# KiCad board 2000ATX.kicad_pcb (continued)
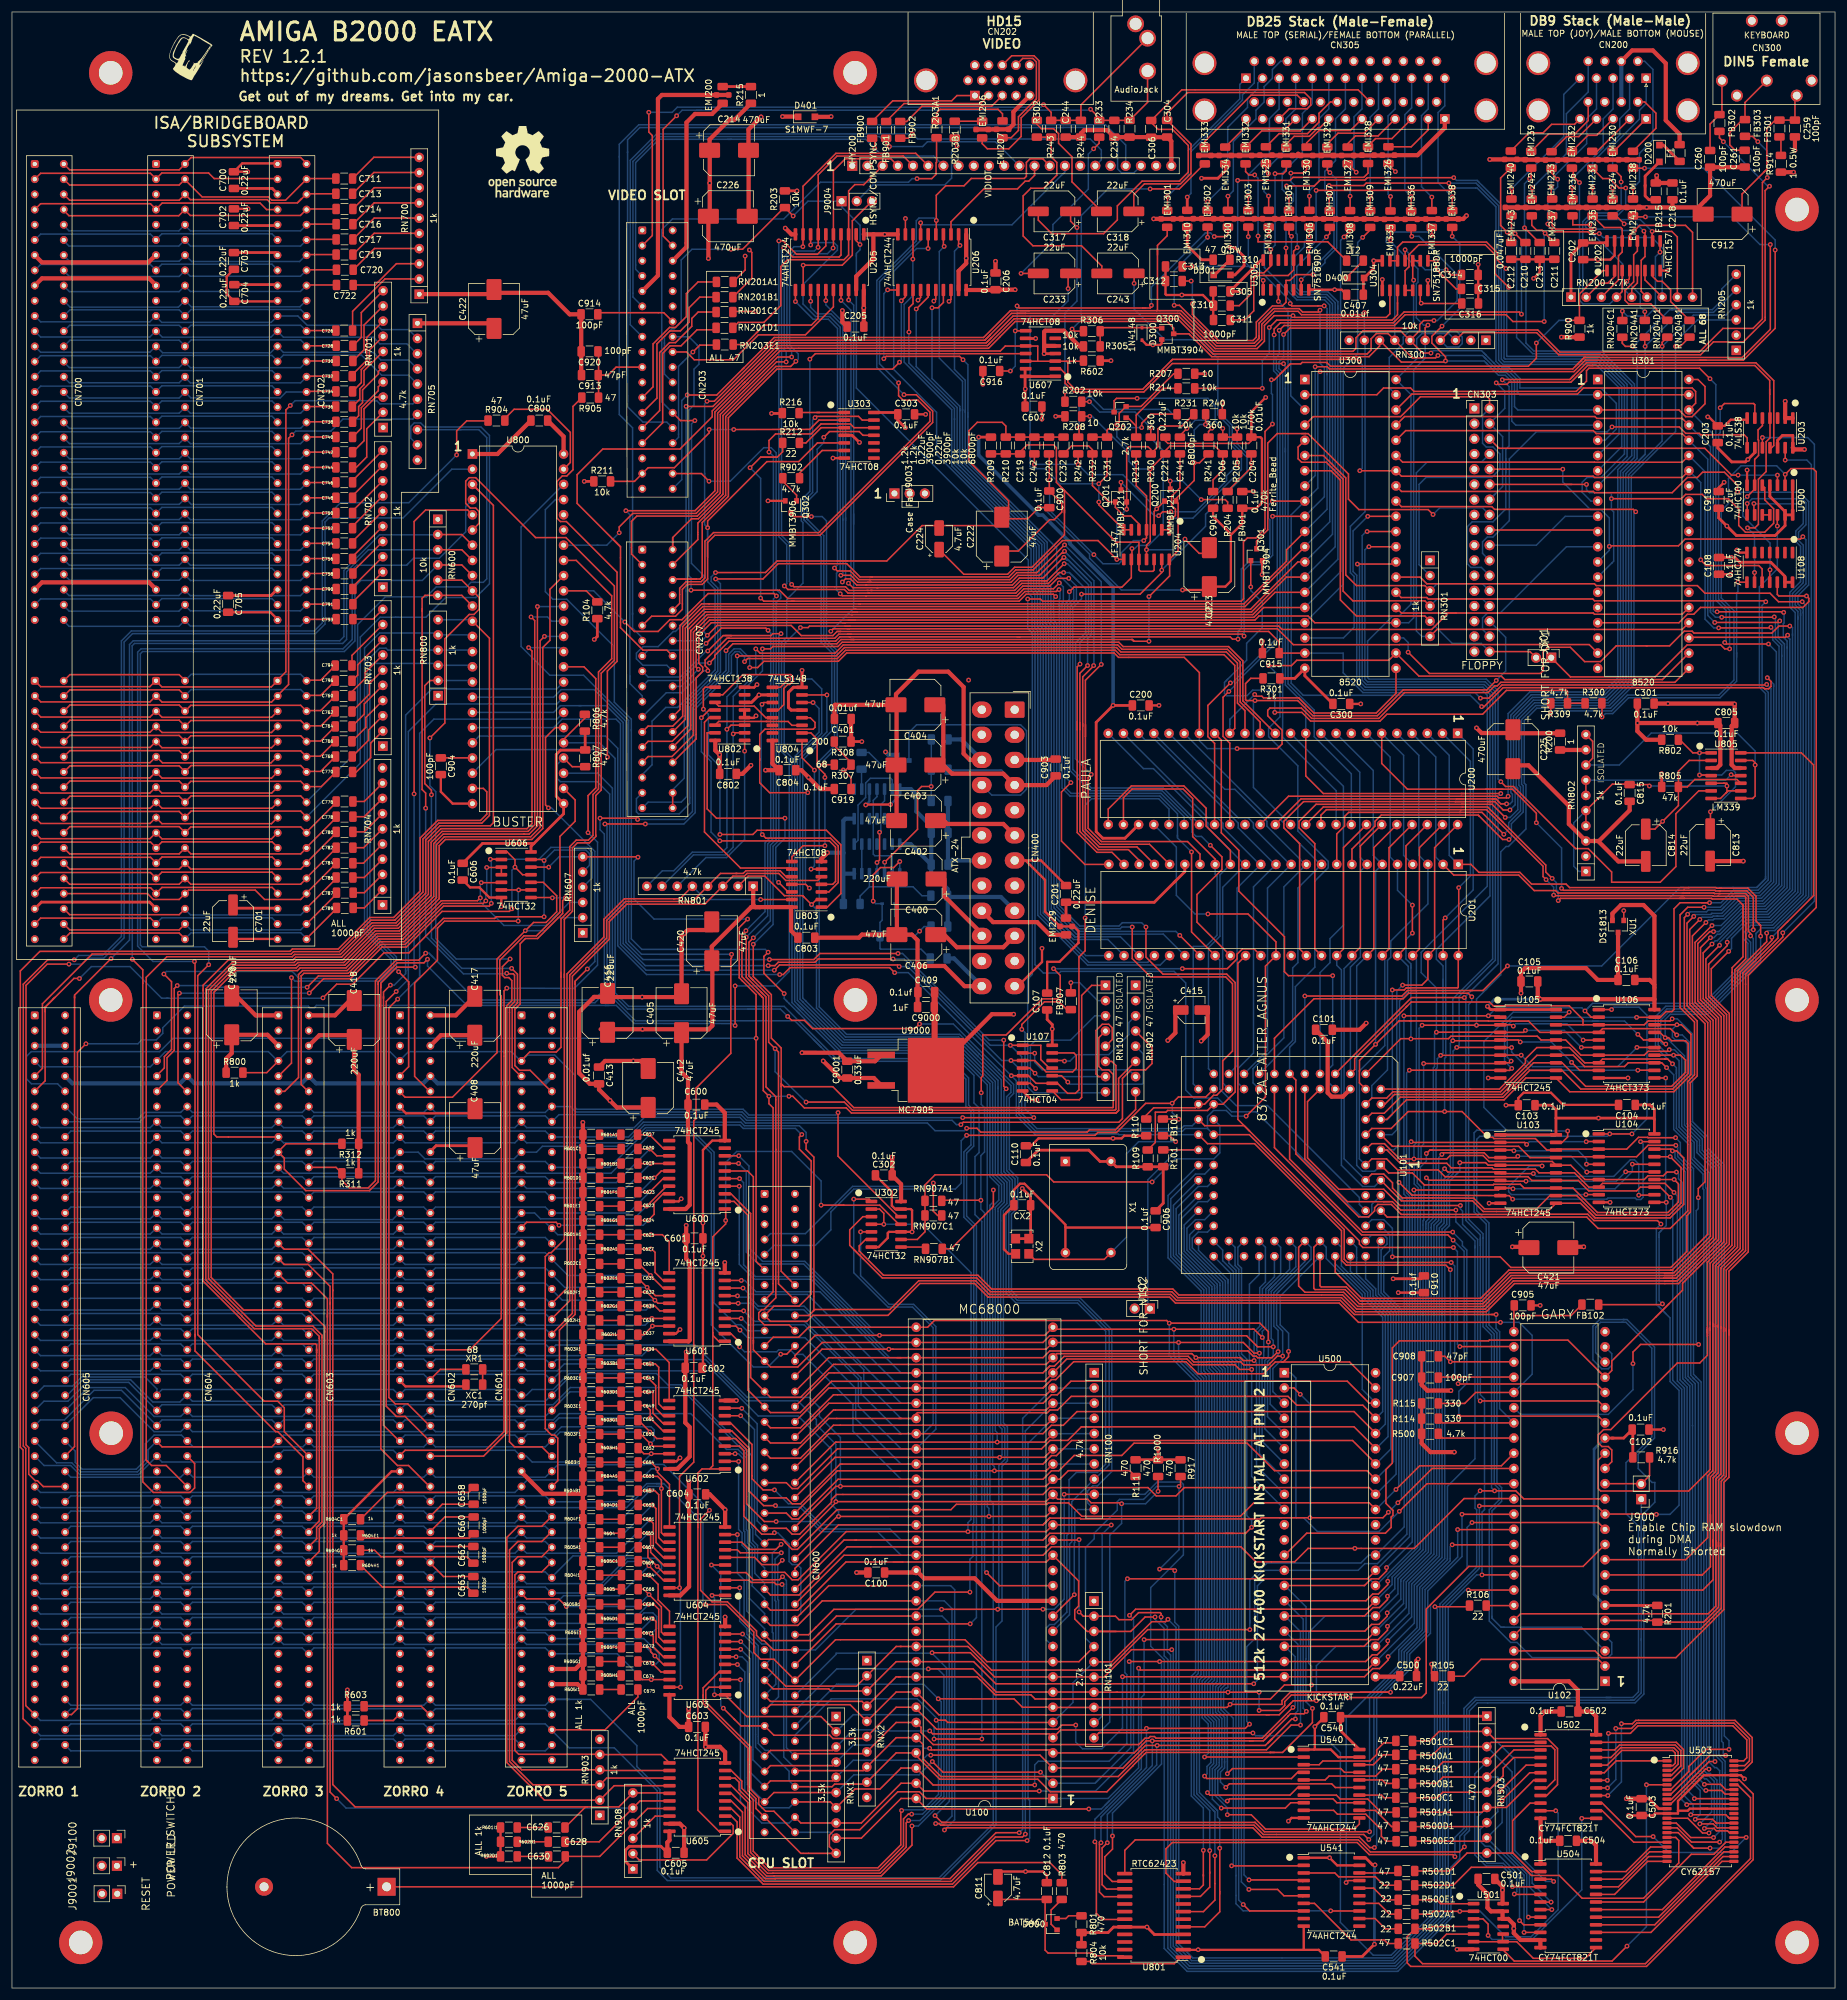
[diagram p0: board, top side]
## Routing (per net, layer and track width the routed paths; a pad name or vN(x,y) marks a point on that pad's centre or on a via; arc(x,y) is an arc through that point) (continued)
/Paula/+5VMOUSE: length 30.4
  Top w0.7: CN200.7 270.87,323.77 274.35,323.77 276.5,321.61 276.5,312.09 278.81,309.78 F1.2
  Bottom w0.7: CN200.16 CN200.7
/Power/+5VSB: length 56.7
  Top w0.381: v1(146.89,197.76) 142.81,197.76 v1(142.74,197.69)
  Bottom w0.381: U9102.14 148.43,199.3 v1(146.89,197.76) ; U9102.10 143.35,198.3 v1(142.74,197.69) ; 153.69,193.02 C9102.1
  Bottom w0.7: C9101.1 153.7,187.73 C9102.1 153.7,194.11 151.21,196.6 151.21,199.42 150.29,200.34 148.39,200.34 ; C9101.1 150.26,191.15 U9101.14 ; C9101.1 153.69,186.39 156.43,183.64 R9103.1 ; R9103.1 156.46,182.5 R9100.1 ; R9103.1 156.64,182.31 165.34,182.31 CN400.9
GND: length 1665.5
  Top w0.25: 140.82,303.93 140.82,305.06
  Top w0.381: 215.13,306.53 EMI330.3 ; 192.15,295.61 EMI301.3 ; C202.1 v1(265.15,288.82) 267.23,288.82 267.94,289.53 U202.15 ; U541.1 v1(220.29,21.77) 221.56,20.5 U541.19 ; 95.09,82.75 R604B1.1 ; v1(111.68,88.6) 111.1,88.01 U602.19 ; v1(111.68,110.03) 111,109.35 U601.19 ; v1(111.89,131.88) 111.46,131.45 U600.19 ; v1(79.32,22) R602D1.1 R601I1.1 ; 112.37,26.84 v1(112.37,26.75) ; 64.74,86.33 63.47,86.33 R604C1.1 R604H1.1 ; 119.23,37.62 U605.10 118.67,37.62 ; 115.93,40.36 v1(115.98,40.31) ; 115.52,119.5 115.52,103.78 C602.2 ; 115.52,119.5 115.53,119.51 ; 115.52,119.5 v1(115.52,122.29) C601.2 v1(115.52,127.84) 115.52,140.03 117.09,141.61 U600.10 ; 77.14,146.16 65.88,146.16 64.74,147.29 ; 64.74,101.57 65.79,100.53 75.58,100.53 XC1.2 ; 95.34,133.1 R601F1.1 ; 95.17,269.57 C913.2 ; C606.2 76.58,183.92 78.14,183.92 79.83,182.22 U606.7 81.81,182.21 v1(81.81,180.7) ; U800.24 73.69,197.92 71.7,199.9 C904.2 ; 80.38,283.06 80.59,283.27 ; C705.2 43.21,229.89 44.4,228.7 ; C702.2 v1(39.47,297.31) ; v1(39.42,303.51) C700.2 38.5,304.9 44.4,304.9 ; 36.96,175.3 44.34,175.3 44.4,175.36 ; C703.2 35.89,285.98 35.89,283.1 C704.2 44.2,281.84 44.4,282.04 ; U541.10 215.97,6.48 216.08,6.38 ; U540.19 221.77,38.58 220.5,39.85 217.7,39.85 ; C110.2 170.39,140.74 171.63,141.98 v1(184.09,141.98) 185.51,141.98 185.95,142.41 R110.1 ; 178.31,174.65 175.14,171.49 173.08,171.49 C107.2 ; 178.31,174.65 178.28,174.62 ; 178.31,174.65 178.31,176.63 177.55,177.39 EMI229.3 EMI229.3 172.72,179.88 172.72,185.17 169.47,188.41 ; 164.75,19.56 164.85,19.46 v1(169.46,19.46) 172.37,19.46 173.02,18.81 C812.2 ; 217.7,39.85 217.83,39.98 v1(217.83,43.69) 219.33,45.18 C540.2 ; 217.7,39.85 U540.1 ; C311.2 200.83,278.79 C305.2 ; U303.7 v1(137.26,255.65) ; C313.2 C312.2 192.86,283.04 192.99,282.91 v1(195.58,282.91) 199.11,282.91 C310.2 ; C915.2 v1(209.06,225.07) ; v1(245.14,288.01) C314.1 245.14,281.53 C316.1 ; 290.12,262.06 287.36,262.06 286.34,261.04 C203.1 283.7,262.53 v1(283.51,262.53) ; 195.35,6.38 216.08,6.38 ; 216.08,6.38 218.49,6.38 C541.2 ; C905.2 v1(255.5,114.07) ; 186.82,309.24 186.85,309.27 ; EMI241.3 273.46,297.54 ; 273.46,297.54 281.93,297.54 ; 273.46,297.54 273.69,297.54 ; 209.01,238.43 v1(209.01,236.19) ; C910.2 v1(231.78,116.2) ; U106.10 v1(270.18,152.07) ; U105.10 v1(246.81,152.07) ; 231.09,306.22 EMI326.3 ; C906.2 176.2,127.07 176.12,127.15 ; 278.54,29.62 278.54,31.25 282.85,35.57 U503.41 289.05,35.57 v1(289.66,34.95) ; 278.54,29.62 278.54,29.17 U503.12 274.68,29.17 274.35,28.84 C503.2 270.31,28.84 ; 278.54,29.62 280.17,29.62 280.51,29.97 283.46,29.97 ; C108.1 v1(287.35,236.24) ; C102.2 v1(276.1,93.32) ; U108.7 288.81,239.86 v1(288.39,240.28) ; C302.1 147.11,133.06 147.11,130.73 147.67,130.16 U302.13 150.29,130.16 150.49,129.96 v1(150.49,126.35) U302.10 146.63,126.35 146.43,126.15 146.43,125.34 144.9,123.81 U302.7 ; 217.79,283.78 U305.7 v1(221.14,283.78) 222.31,283.78 C407.2 ; 122.33,306.93 122.54,307.14 ; U304.7 v1(236.73,285.34) ; U104.10 v1(267.18,131.29) ; 265.18,191.67 RN802.3 ; v1(213.41,27.89) 213.94,28.42 U540.10 ; 176.12,127.15 176.12,127.56 169.29,134.39 168.53,134.39 167.51,133.37 CX2.2 165.86,129.16 165.86,123.44 166.62,122.68 X2.2 ; 176.12,127.15 X1.7 ; C907.2 C908.2 ; FB401.1 v1(207.55,250.07) ; 188.95,275.32 D300.2 189.7,274.57 v1(190.75,274.57) 191.98,274.57 192.22,274.82 Q300.2 ; C303.2 v1(152.76,262.97) ; 268.52,176.39 XU1.3 ; v1(288.01,214.55) 287.93,214.63 ; C916.2 v1(162.33,268) ; 169.47,188.41 172.04,188.41 C201.2 ; 169.47,188.41 CN400.7 ; C200.2 v1(191.77,214.33) ; 282.49,29.97 283.46,29.97 ; 283.46,29.97 U503.34 ; 150.46,176.02 151.46,175.03 C409.2 151.46,163.98 C9000.2 ; U202.8 v1(276.82,286.98) ; C607.1 v1(172.19,262.16) ; 184.26,309.24 C234.2 ; C918.2 285.34,250.7 v1(286.26,251.61) ; v1(171.35,148.39) 170.5,148.39 U107.7 ; U103.10 v1(246.96,131.14) ; v1(249.78,147.52) C103.2 251.84,148.71 252.73,149.61 257.3,149.61 259.33,147.57 C104.2 ; 268.53,305.56 268.63,305.46 ; 255.63,202.23 256.1,201.75 ; U900.7 v1(290.09,253.64) ; EMI232.3 259.69,305.51 ; 200.83,280.44 200.81,280.42 ; C300.1 v1(225.5,214.58) ; C218.2 277.62,298.35
  Top w0.4: 124.05,212.24 v1(124.4,212.59) ; 122.56,212.24 124,212.24 ; 122.54,217.32 124.08,217.32 v1(124.56,217.81)
  Top w0.457: 174.33,273.1 v1(172.57,273.1)
  Top w0.5: U802.5 122.49,212.34 ; U804.5 130.28,213.54 129.82,214 129.82,216.51 130.66,217.35 U804.8 v1(132.09,220.18)
  Top w0.7: 85.06,86.33 88.81,82.59 94.93,82.59 R604B1.1 ; v1(95.45,144.65) R601A1.1 R605I1.1 94.56,50.77 90.14,50.77 ; 90.14,53.31 94.21,53.31 R605G1.1 ; C603.2 115.93,40.36 ; 95.17,269.57 C920.2 95.17,279.65 C914.1 93.24,279.68 89.65,283.27 80.59,283.27 ; 67.89,283.06 80.38,283.06 ; U800.1 81.18,256.34 C800.2 ; U206.19 158.27,286.91 159.54,288.18 U206.1 ; C907.2 235.68,100.8 236.65,99.83 v1(240.58,99.83) ; EMI326.3 235,306.27 239.55,310.83 CN305.26 ; C502.2 256.21,46.21 v1(255.81,45.8) 255.56,45.56 255.56,42.35 ; C261.2 289.67,304.26 C260.2 283.91,299.51 281.93,297.54 277.72,297.54 ; v1(247.07,305.56) EMI240.3 253.22,305.56 253.27,305.51 EMI238.3 ; 199.91,163.42 199.91,159.32 v1(198.83,158.24) ; U205.1 144.02,293.04 ; 144.02,293.04 v1(145.92,293.04) U206.10 ; 144.02,293.04 144.02,288.88 141.15,286.01 U205.19 ; C206.1 164.44,288.53 v1(164.43,288.54) ; C259.2 v1(298.09,307.07) ; U604.10 119.23,77.04 v1(119.23,79.93) 116.66,82.5 C604.2 ; U601.10 v1(119.18,121.24) ; C500.2 234.82,54.7 v1(235.1,54.98) ; R900.1 262.07,275.87 v1(259.04,275.87) ; C903.2 174.35,205.21 CN400.3 ; 215.03,306.52 214.73,306.22 ; 214.73,306.22 231.09,306.22 ; 214.73,306.22 EMI333.3 ; v1(172.57,273.1) 172.57,274.34 ; 172.57,274.34 172.62,274.4 U607.5 ; 172.57,274.34 172.57,276.74 172.76,276.94 U607.7 175.87,276.94 178.49,274.32 R305.2 ; CN202.5 167.43,313.51 167.43,311.4 EMI207.3 EMI206.3 ; U502.12 255.56,24.82 ; 255.56,24.82 v1(255.56,24.62) 255.56,20.75 U504.1 ; 255.56,24.82 255.78,24.6 C504.2 ; 123.16,296.27 123.16,307.09 ; v1(226.42,161.24) 225.3,160.12 C101.2 ; C406.2 147.95,185.27 C400.2 ; CN400.24 159.26,167.41 155.88,170.79 151.41,170.79 ; U504.12 U504.11 252.24,8.03 251.1,9.17 v1(251.1,9.94) 251.1,10.63 250.18,11.55 249.21,11.55 249.21,12.82 247.28,12.82 246.69,13.41 246.69,15.71 v1(246.62,15.78) 245.12,17.28 C501.2 ; 287.93,214.63 C301.2 ; v1(125.25,312.67) 123.14,310.55 C214.2 ; 250.95,204.31 253.54,204.31 260.3,197.55 260.3,194.51 RN802.3 265.33,191.67 270.46,196.8 C815.2 ; v1(132.09,156.29) 138.23,156.29 C9001.2 144.29,154.87 U9000.1 ; C402.2 147.9,214.33 C404.2 ; C919.2 135.13,200.36 131.98,203.5 C804.2 ; U600.10 119.18,146.25 117.81,147.62 C600.2 ; 244.26,6.47 v1(241.6,6.47) ; v1(296.46,265.14) U203.2 U203.1 ; 151.41,170.79 C9000.2 ; 151.41,170.79 151.41,175.08 150.46,176.02 142.11,176.02 141.61,175.51 C803.2 ; C412.1 101.14,147.15 v1(99.99,148.3) 98.15,150.14 C413.2 96.61,151.09 94.83,152.88 94.83,163.12 97.33,165.62 98.43,165.62 98.45,165.59 v1(105.37,165.59) 111.95,165.59 111.95,175.77 v1(112.4,176.22) 112.97,176.79 117.09,176.79 ; EMI243.3 EMI241.3 277.72,297.54 ; CN603.2 54,162.53 57.19,165.72 ; C205.1 138.84,278.41 v1(138.84,280.3) ; C813.2 v1(289.47,188.31) ; v1(288.01,214.55) C805.2 287.51,210.88 287.51,204.41 288.06,203.86 U805.12 ; v1(190.88,295.63) 221.03,295.63 221.05,295.61 EMI338.3 242.62,295.61 v1(243.18,296.16) ; v1(262.79,123.85) 260.24,123.85 C421.2 ; U603.10 v1(119.23,62) ; 268.52,176.39 C106.2 265.13,168.45 263.14,170.43 252.98,170.43 252.3,169.75 C105.2 v1(252.3,166.24) ; v1(195.84,20.96) 195.84,19.13 U801.12 ; v1(129.29,294.08) 130.33,293.04 U205.10 ; EMI200.3 EMI200.3 108.66,316.33 108,315.67 108,286.16 CN203.9 ; C814.2 268.59,188.26 265.18,191.67 ; CN603.1 40.74,162.53 36.74,166.53 ; C802.2 122.11,202.89 v1(123.55,204.32) ; C404.2 137.64,214.43 137.51,214.3 C401.2 ; C404.2 147.8,216.2 151.56,219.96 156.54,219.96 159.11,217.4 159.11,206.27 160.16,205.21 CN400.15 ; U605.19 111.66,27.46 v1(112.37,26.75) C605.1 ; C244.2 R244.1 178.72,309.91 179.27,310.46 183.13,310.46 C234.2 R234.1 190.44,309.29 C306.2 193.1,309.27 C304.2 193.83,308.6 HY200.22 ; 277.72,297.54 277.62,297.64 C218.2 ; C100.2 v1(141.22,69.43) ; v1(115.98,40.31) 118.36,40.31 119.23,39.44 U605.10 ; U803.7 135.34,188.71 v1(136.35,189.71) ; CN602.2 74.19,162.53 C417.2 ; v1(121.11,98.17) 119.18,98.17
  In1.Cu w0.25: 231.19,131.17 232.21,130.15 ; 15.09,35.92 14.94,35.92
  In1.Cu w0.381: 197.12,138.95 199.81,138.95 U101.42 199.81,141.16 197.85,141.16 195.83,139.15 ; 230.41,131.33 227.42,131.33 U101.82 227.69,133.81 230.99,133.81
  In1.Cu w0.7: CN605.13 5.02,148.5 23.03,148.5 CN604.13 25.44,148.5 43.35,148.5 CN603.13 45.76,148.5 63.67,148.5 CN602.13 66.08,148.5 83.99,148.5 CN601.13 86.4,148.5 95.09,148.5 ; 93.43,150.56 93.56,150.43
  Bottom w0.381: 24.1,50.77 CN604.89 ; 76.68,197.61 U800.24 ; 246.89,151.99 v1(246.81,152.07)
  Bottom w0.7: U9101.7 139.07,186.2 139,186.27 ; 139,186.27 C9103.2 ; 139,186.27 139,189.69 ; CN400.19 157.18,188.41 C9101.2 156.49,193.02 C9102.2 156.49,193.05 C9105.2 ; CN400.15 158.71,208.65 R9105.2 ; v1(136.35,189.71) 138.97,189.71 139,189.69 ; 140.77,195.39 139.33,195.39 139,195.06 139,189.69 ; C9104.2 157.5,172.05 CN400.24 ; v1(146.05,206.55) 146.53,206.07 Q9100.2
  vias: v1(133.19,202.28) v1(159.54,289.04) v1(198.32,6.4) v1(270.29,28.85) v1(273.3,297.54) v1(276.86,214.63)
V7M: length 38.8
  Top w0.25: 154.05,132.68 154.05,129.81 154.76,129.1 RN907C1.1 ; 154.05,132.68 154.04,132.69 v1(154.04,134.52) ; 154.05,132.68 154.05,132.91
  Bottom w0.25: CN600.7 126.81,126.06 132.65,126.06 140.55,133.95 153.47,133.95 v1(154.04,134.52)
7M: length 167
  Top w0.25: RN907A1.1 155.54,131.63 v1(161.99,131.63) ; v1(162.94,69.41) 165.12,67.23 U100.15 ; v1(162.05,149.61) 162.05,152.15 162.31,152.4 162.31,159.26 166.22,159.26 172.26,165.3 174.8,165.3 175.26,165.76 175.26,169.21 v1(174.14,170.33) ; U201.35 207.66,173.64 205.71,173.64 204.83,172.77 204.83,171.98 203.19,170.33 v1(195.68,170.33)
  Bottom w0.25: v1(162.05,149.61) 162.05,147.66 162.6,147.11 162.6,139.71 161.99,139.1 v1(161.99,131.63) 161.99,130.13 162.6,129.52 162.6,69.75 v1(162.94,69.41) ; v1(195.68,170.33) v1(174.14,170.33)
28M: length 98.5
  Top w0.25: U101.34 199.59,148.89 195.02,148.89 v1(193.98,147.85) 193.95,147.83 189.53,147.83 184.66,142.95 181.54,142.95 181.08,142.49 v1(159.61,142.49) ; 195.28,145.19 v1(195.07,145.19) 195.04,145.21 FB101.2 192.46,145.19
  Bottom w0.25: v1(193.98,147.85) 193.98,146.28 v1(195.07,145.19) ; CN600.9 127.39,124.1 134.32,124.1 136.91,126.69 136.91,129.68 140.73,133.5 157.71,133.5 158.71,134.5 158.71,141.59 v1(159.61,142.49)
+AUD: length 220
  Top w0.457: 250.98,209.68 250.95,209.71 ; U200.27 186.08,192.13 182.37,192.13 181.27,193.23 181.27,211.5 v1(184.1,214.33) C200.1 187.32,214.5 ; R209.1 v1(161.62,259.16)
  Top w0.7: R200.2 250.98,209.68 ; v1(244.86,210.57) 245.71,209.71 250.95,209.71
  In2.Cu w0.457: 195.85,212.33 243.09,212.33 v1(244.86,210.57)
  In2.Cu w0.6: v1(244.86,210.57) 243.17,212.26 186.17,212.26 v1(184.1,214.33) 186.1,212.33
  Bottom w0.6: v1(184.1,214.33) 184.1,234.12 176.88,241.34 176.88,241.58 172.33,246.13 171.64,246.13 161.62,256.14 v1(161.62,259.16)
+AV: length 86.8
  Top w0.25: R213.1 v1(187.96,254.97) 187.96,251.05 189.69,249.33 U204.4 189.69,242.32 v1(189.23,241.86) ; v1(184.72,261.25) 185.12,261.65 185.12,263.14 Q202.2 188.77,264.29 194.23,269.75 R207.2 ; C220.1 173.43,256.31 C900.1 175.51,248.08 175.51,246.63 174.24,245.36 173.48,245.36 168.24,240.12 166.62,240.12
  Bottom w0.25: v1(187.96,254.97) 187.96,255.98 184.72,259.22 v1(184.72,261.25) ; v1(173.48,252.02) 173.48,246.92 v1(180.89,239.51) 182.41,238 185.07,238 185.45,238.38 185.45,239.81 187.5,241.86 v1(189.23,241.86)
+VID: length 192
  Top w0.25: 142.42,277.62 C205.2 ; 164.39,283.74 C206.2
  Top w0.7: 142.42,277.62 v1(142.42,280.75) U205.20 ; 116.66,296.11 v1(116.66,301.6) 116.66,306.93 ; C226.1 v1(116.43,289.02) ; U206.20 164.39,283.74 ; C206.2 v1(167.72,283.79) ; C214.1 116.64,308.9 119.95,312.21 120.82,312.21 R215.1
  In2.Cu w0.7: v1(116.66,301.6) 124.32,301.6 128.61,305.9 141.78,305.9 143.03,304.65 HY200.2 145.18,302.34 145.18,297.91 143.37,296.09 143.37,281.7 v1(142.42,280.75) ; HY200.21 182.54,295.74 171.54,295.74 169.66,293.86 169.66,285.73 v1(167.72,283.79) 165.94,283.79 161.49,279.35 130.5,279.35 123.16,286.69 118.76,286.69 v1(116.43,289.02)
-AV: length 64.7
  Top w0.25: U204.11 v1(189.69,240.33) 189.69,241.1 190.31,241.72 v1(190.31,253.83) C221.2 192.84,256.9 193.6,257.66 201.14,257.66 R206.2 202.44,253.64 200.81,252.02 C901.2 ; R208.1 v1(180.19,262.64) ; v1(196.11,242.11) 198.49,239.73 199.85,239.73
  Bottom w0.25: v1(180.19,262.64) 180.59,262.64 186.74,256.49 186.74,255.11 188.02,253.83 v1(190.31,253.83) ; v1(189.69,240.33) 194.34,240.33 v1(196.11,242.11)
/Floppy and Parallel/_CHNG: length 77.7
  Top w0.25: U300.4 217.57,262.58 232.17,262.58 235.49,265.89 246.68,265.89 247.04,265.54 CN303.2
  Bottom w0.25: RN301.2 235.25,237.85 235.25,251.25 236.43,252.43 247.41,252.43 248.77,253.79 248.77,256.34 247.6,257.51 246.48,257.51 245.87,258.12 245.87,262.78 CN303.2
/Floppy and Parallel/_DKWDB: length 64.5
  Top w0.25: v1(267.51,260.86) 278.77,260.86 279.83,259.79 282.09,259.79 282.35,259.54 289.61,259.54 290.12,259.03 290.12,257.11
  Bottom w0.25: v1(267.51,260.86) 266.69,260.04 254.86,260.04 250.34,255.52 250.34,245.2 247.6,242.46 246.67,242.46 245.87,241.66 245.87,239.73 CN303.22
/Floppy and Parallel/_DKWEB: length 103.3
  Top w0.25: 261.09,269.42 263.24,271.57 291.58,271.57 294.55,268.59 294.55,257.74 293.93,257.11 ; 261.09,269.42 260.6,268.94 ; 261.09,269.42 260.45,268.78 249.22,268.78 v1(249.17,268.73)
  Bottom w0.25: 249.76,253.21 249.76,257.13 250.31,257.67 250.31,267.6 v1(249.17,268.73) ; 249.76,253.21 249.76,247.16 247.6,245 244.13,245 243.33,244.2 243.33,237.99 243.94,237.38 245.68,237.38 CN303.24 ; 249.76,253.21 249.76,255.58
/Floppy and Parallel/_INUSE0: length 52.5
  Top w0.25: CN303.6 248.63,257.29 283.02,257.29 287.5,252.81 v1(288.59,252.81) ; U900.3 v1(295.17,252.81) ; 285.27,255.04 285.14,255.17
  Bottom w0.25: v1(295.17,252.81) v1(288.59,252.81)
/Floppy and Parallel/_INUSE1: length 110.5
  Top w0.25: v1(290.17,243.99) 291.4,243.99 291.99,244.58 291.99,252.12 293.28,253.41 293.28,258.38 293.92,259.03 U203.4 ; 264.31,271.12 291.39,271.12 293.88,268.63 293.88,266.29 ; 264.31,271.12 263.42,271.12 260.64,268.33 250.3,268.33 249.94,267.98 248.41,267.98 v1(248.16,268.22) ; 264.31,271.12 263.8,271.12 ; U108.9 v1(291.34,236.52) ; 293.88,267.16 293.88,266.29 ; 293.88,266.29 293.88,262.11 293.93,262.06
  Bottom w0.25: v1(290.17,243.99) 291.34,242.82 v1(291.34,236.52) ; 247.91,249.59 CN303.14 249.22,250.9 249.22,259.23 CN303.4 249.58,263.96 249.58,266.85 249.53,266.85 v1(248.16,268.22)
/Floppy and Parallel/_IORST: length 60.4
  Top w0.25: EMI300.2 203.3,293.12 202.84,292.66 v1(201.02,292.66) ; v1(168.05,281.08) 168.39,280.74 189.04,280.74 ; v1(166.93,270.21) C916.1 ; 189.04,280.74 190.31,280.74 190.5,280.92 v1(190.5,281.18) ; 189.04,280.74 189.55,280.74 ; 169.38,276.91 v1(167.74,276.91)
  Bottom w0.25: v1(201.02,292.66) 200.39,293.28 199.55,293.28 ; 199.55,293.28 199.17,292.91 ; 199.55,293.28 200.06,293.28 ; 199.55,293.28 190.5,284.23 v1(190.5,281.18) ; v1(168.05,281.08) 168.05,277.22 v1(167.74,276.91) 167.74,271.02 v1(166.93,270.21)
/Floppy and Parallel/_KBDATA: length 16.5
  Top w0.25: CN300.2 289.75,315.08 FB303.1 289.35,312.21 287.2,310.06 287.2,307.99 288.1,307.08 C261.1 289.75,307.13
/Floppy and Parallel/_MTROD: length 65.9
  Top w0.25: 216.31,259.75 216.69,259.75 223.45,252.99 223.45,248.79 225.19,247.05 236.77,247.05 v1(237.59,246.23) ; 216.31,259.75 215.61,259.75 ; 216.31,259.75 211.54,259.75 209.95,258.16 209.95,243.65 208.08,241.78 208.08,240.47
  Bottom w0.25: CN303.16 245.87,247.35 238.72,247.35 v1(237.59,246.23)
/Floppy and Parallel/_RDY: length 63.3
  Top w0.25: U300.7 220.52,253.54 222.1,251.97 222.1,231.95 224.78,229.27 236.21,229.27 RN301.5 ; CN303.34 253.8,223.32 J301.2
  Bottom w0.25: RN301.5 240.8,224.68 245.68,224.68 CN303.34
/Floppy and Parallel/_TRK0: length 50.7
  Top w0.25: RN301.3 236.21,234.35 224.78,234.35 223,236.13 223,252.34 219.26,256.08 U300.6
  Bottom w0.25: RN301.3 238.26,234.65 245.87,234.65 CN303.26
/Floppy and Parallel/_WPROT: length 57.9
  Top w0.25: RN301.4 236.21,231.81 224.17,231.81 222.55,233.43 222.55,252.15 219.74,254.96 215.61,254.96 215.03,255.54 215.03,257.5 U300.5 ; 247.19,231.09 CN303.28
  Bottom w0.25: CN303.28 245.87,232.11 238.26,232.11 RN301.4
/Memory and Kickstart/_DRAS1: length 14
  Top w0.25: U503.18 271.14,24.37 265.88,29.62 U502.14
/Memory and Kickstart/_MCASL: length 90.2
  Top w0.25: 244.26,9.01 239.84,9.01 238.27,7.44 R502C1.1 234.57,5.33 235.83,4.06 273.09,4.06 290.67,21.64 290.67,31.8 288.5,33.97 U503.39
/Memory and Kickstart/_MCASU: length 96.7
  Top w0.25: U503.40 288.77,34.77 291.12,32.42 291.12,21.45 273.28,3.61 233.86,3.61 233.26,4.21 233.26,8.59 R502B1.1 237.06,9.9 237.44,10.28 244.26,10.28
/Memory and Kickstart/_MRAS0: length 10
  Top w0.25: 244.26,14.09 238.85,14.09 238.21,14.73 R500E1.1
/Memory and Kickstart/_MRAS1: length 49.2
  Top w0.25: 244.26,12.82 v1(242.05,12.82) 237.61,12.82 237.14,12.34 R502A1.1 ; U502.11 v1(258.1,29.62)
  Bottom w0.25: v1(242.05,12.82) 245.48,12.82 249.73,8.57 253.98,8.57 258.5,13.09 258.5,29.22 v1(258.1,29.62)
/Memory and Kickstart/_MWE: length 55.9
  Top w0.25: R502D1.1 240.97,17.17 243.98,20.17 252.68,20.17 254.04,18.81 258.71,18.81 262.52,15 272.78,15 278.67,20.89 278.67,24.65 278.16,25.17 U503.17
/Memory and Kickstart/_SRAMCE: length 54.4
  Top w0.25: 270.04,7.03 v1(270.01,7) 267.53,4.51 251.16,4.51 249.21,6.47 ; U503.6 v1(273.27,33.97)
  Bottom w0.25: v1(270.01,7) 273.27,10.26 v1(273.27,33.97)
/Memory and Kickstart/CAS: length 23.7
  Top w0.25: 249.21,9.01 249.21,7.74 ; 249.21,7.74 251.58,7.74 254.35,4.96 263.04,4.96 U504.13 ; 249.21,7.74 244.26,7.74
/Memory and Kickstart/DRAB0: length 54.5
  Top w0.25: U504.6 255.56,14.36 v1(257.33,14.36) ; U502.2 247.3,41.05 RN503.3 238.91,40.34 237.54,38.96 R500A1.1
  Bottom w0.25: v1(257.33,14.36) 254.16,17.53 254.16,19.43 250.81,22.78 250.81,36.11 RN503.3
/Memory and Kickstart/DRAB1: length 53.3
  Top w0.25: U502.3 251.11,39.78 RN503.5 239.27,35.26 238.2,34.19 R500B1.1 ; U504.7 255.54,13.11 v1(257.45,13.11)
  Bottom w0.25: v1(257.45,13.11) 253.71,16.85 253.71,19.25 250.36,22.59 250.36,33.29 248.4,35.26 RN503.5
/Memory and Kickstart/DRAB2: length 53.7
  Top w0.25: v1(253.53,11.85) 255.52,11.85 U504.8 ; U502.4 251.09,38.51 249.31,36.74 249.31,35.44 RN503.6 239.22,32.72 238.3,31.8 R500C1.1
  Bottom w0.25: v1(253.53,11.85) 253.26,12.13 253.26,19.06 249.91,22.4 249.91,33.11 249.27,33.75 247.61,33.75 RN503.6
/Memory and Kickstart/DRAB3: length 51.2
  Top w0.25: 255.55,37.24 U502.5 253.15,37.24 v1(248.93,33.02) ; RN503.8 245.92,26.97 R500D1.1 ; U504.9 252.74,10.57 v1(252.05,11.26)
  Bottom w0.25: v1(252.05,11.26) 252.05,18.76 247.12,23.68 246.33,23.68 245.46,24.56 245.46,26.51 RN503.8 248.42,29.47 248.42,32.51 v1(248.93,33.02)
/Memory and Kickstart/DRAB4: length 49.4
  Top w0.25: 249.13,31.35 v1(249.14,31.36) 253.75,35.97 U502.6 255.54,35.96 ; v1(252.81,9.29) 252.81,9.3 U504.10 ; RN503.9 246.02,24.54 R500E2.1
  Bottom w0.25: v1(252.81,9.29) 252.81,18.87 RN503.9 249.14,27.65 v1(249.14,31.36)
/Memory and Kickstart/DRAB5: length 47.5
  Top w0.25: U504.5 251.23,15.65 v1(251.18,15.7) ; R501A1.1 245.77,29.36 RN503.7 249.85,30.18 254.38,34.7 U502.7
  Bottom w0.25: v1(251.18,15.7) 251.6,16.12 251.6,18.57 249.32,20.84 246.63,20.84 245.01,22.47 245.01,28.6 RN503.7
/Memory and Kickstart/DRAB6: length 64.2
  Top w0.25: v1(250.87,16.95) 250.91,16.92 U504.4 ; U502.8 256.58,33.43 257.95,34.8 257.95,39.84 257.36,40.43 249.22,40.43 RN503.4 239.27,37.8 238.05,36.58 R501B1.1
  Bottom w0.25: v1(250.87,16.95) 250.5,17.32 250.5,19.03 249.14,20.39 246.44,20.39 244.56,22.28 244.56,35.77 RN503.4
/Memory and Kickstart/DRAB7: length 68.6
  Top w0.25: U504.3 257.38,18.19 v1(257.76,17.81) ; R501C1.1 237.03,41.3 238.61,42.88 RN503.2 247.78,41.68 256.74,41.68 258.4,40.02 258.4,33.98 256.58,32.16 U502.9
  Bottom w0.25: v1(257.76,17.81) 256.41,17.81 251.26,22.96 251.26,38.2 RN503.2
/Memory and Kickstart/DRAB8: length 34.8
  Top w0.25: U504.2 254.04,19.46 250.89,22.61 ; R501D1.1 240.28,19.56 243.28,22.56 RN503.10 250.84,22.56 250.89,22.61 ; 250.89,22.61 250.89,27.98 253.8,30.89 U502.10
/Memory and Kickstart/DRAC0: length 21.8
  Top w0.25: U502.23 278.26,41.05 279.47,39.85 279.47,36.76 277.47,34.77 U503.5
/Memory and Kickstart/DRAC1: length 20.4
  Top w0.25: U503.4 277.47,35.57 279.02,37.11 279.02,39.66 278.07,40.6 268.76,40.6 267.94,39.78 U502.22
/Memory and Kickstart/DRAC2: length 19
  Top w0.25: U502.21 267.33,38.51 268.97,40.15 277.84,40.15 278.57,39.43 278.57,37.41 277.52,36.37 U503.3
/Memory and Kickstart/DRAC3: length 17.7
  Top w0.25: U503.2 277.69,37.17 278.09,37.57 278.09,39.26 277.65,39.7 269.15,39.7 266.69,37.24 U502.20
/Memory and Kickstart/DRAC4: length 12.7
  Top w0.25: U503.1 268.22,37.97 266.23,35.97 U502.19
/Memory and Kickstart/DRAC5: length 39.8
  Top w0.25: v1(266.91,42.56) 270.59,42.56 271.85,43.82 287.71,43.82 290.04,41.48 290.04,38.48 289.53,37.97 U503.44 ; U502.18 v1(266.73,34.7)
  Bottom w0.25: v1(266.73,34.7) 266.91,34.88 v1(266.91,42.56)
/Memory and Kickstart/DRAC6: length 42.9
  Top w0.25: U502.17 v1(266.75,33.43) ; v1(268.15,43.38) 270.77,43.38 271.67,44.27 272.1,44.27 287.89,44.27 290.49,41.67 290.49,37.96 289.7,37.17 U503.43
  Bottom w0.25: v1(268.15,43.38) 268.15,34.83 v1(266.75,33.43)
/Memory and Kickstart/DRAC7: length 45.9
  Top w0.25: v1(269.09,44.16) 270.92,44.16 271.48,44.72 271.9,44.72 271.91,44.73 271.99,44.73 288.08,44.72 290.94,41.86 290.94,37.78 289.53,36.37 U503.42 ; U502.16 v1(266.81,32.16)
  Bottom w0.25: v1(266.81,32.16) 269.09,34.44 v1(269.09,44.16)
/Memory and Kickstart/DRAC8: length 31.6
  Top w0.25: U503.28 v1(289.94,25.17) ; U502.15 265.88,30.89 271.47,25.31 v1(274.39,25.31)
  Bottom w0.25: v1(289.94,25.17) 287.43,22.65 277.04,22.65 v1(274.39,25.31)
/Memory and Kickstart/DRAD0: length 27.2
  Top w0.25: U503.27 286.55,24.37 284.53,22.35 280.77,22.35 272.8,14.38 U504.19
/Memory and Kickstart/DRAD1: length 27.4
  Top w0.25: U504.18 275.93,13.11 286.39,23.57 U503.26
/Memory and Kickstart/DRAD2: length 27.6
  Top w0.25: U503.25 286.22,22.77 275.29,11.84 U504.17
/Memory and Kickstart/DRAD3: length 27.8
  Top w0.25: U503.24 286.06,21.97 274.66,10.57 U504.16
/Memory and Kickstart/DRAD4: length 28
  Top w0.25: U503.23 285.9,21.17 274.03,9.3 U504.15
/Memory and Kickstart/DRAD5: length 14.2
  Top w0.25: U504.20 267.95,15.65 273.47,21.17 U503.22
/Memory and Kickstart/DRAD6: length 14
  Top w0.25: U504.21 268.58,16.92 273.63,21.97 U503.21
/Memory and Kickstart/DRAD7: length 13.8
  Top w0.25: U503.20 273.8,22.77 269.22,18.19 U504.22
/Memory and Kickstart/DRAD8: length 13.6
  Top w0.25: U503.19 273.96,23.57 269.85,19.46 U504.23
/Memory and Kickstart/RAS: length 38.5
  Top w0.25: 244.26,11.55 245.94,11.55 246.8,10.69 v1(246.8,8.79) ; U502.13 v1(262.46,28.35)
  Bottom w0.25: v1(246.8,8.79) 247.47,8.12 254.16,8.12 262.46,16.41 v1(262.46,28.35)
/Paula/FIR0: length 26.3
  Top w0.25: v1(271.02,300.79) 271.02,298.73
  Bottom w0.25: CN200.6 272.97,321.97 274.35,320.59 274.35,308.82 272.1,306.57 272.1,301.87 v1(271.02,300.79)
/Power/_PS-ON: length 44.3
  Bottom w0.25: 161.67,200.55 CN400.16 163.82,199.34 168.63,199.34 169.62,200.32 169.62,210.11 168.63,211.09 151.24,211.09 149.97,209.81 Q9100.3
/Serial/CD: length 117.4
  Top w0.25: U305.11 v1(213,290.78) ; 213.07,301.13 v1(213.09,301.13) 217.75,301.13 218.73,302.11 226.2,302.11 226.45,302.37 ; v1(241.05,302.51) 226.59,302.51 226.45,302.37 ; 226.45,302.37 226.49,302.41
  Bottom w0.25: v1(213,290.78) 213,297.38 214.24,298.62 214.24,299.76 213.06,300.95 ; U301.7 269.14,257.56 269.14,267.59 264.98,271.75 249.46,271.75 249.01,272.2 249.01,284.09 ; 249.01,290.41 249.01,298.01 245.31,301.7 ; 249.01,290.41 249.01,284.09 ; 249.01,290.41 249.01,290.9 ; 245.31,301.7 244.96,302.06 ; 245.31,301.7 244.96,302.05 241.51,302.05 v1(241.05,302.51) ; 249.01,284.09 249.01,285.34
/Serial/CTS: length 113.4
  Top w0.25: U305.6 v1(215.54,285.45) ; v1(220.22,301.19) 226.01,301.19 226.42,301.6 v1(240.23,301.6)
  Bottom w0.25: 220.97,290.87 220.68,290.58 ; 220.68,290.58 221.03,290.93 221.03,300.38 v1(220.22,301.19) ; 220.68,290.58 v1(215.54,285.45) ; v1(240.23,301.6) 244.78,301.6 245.25,301.13 ; 248.56,289.26 248.56,290.71 ; 248.56,289.26 248.56,285.45 ; 248.56,289.26 248.56,297.82 245.25,301.13 ; 248.56,285.45 248.56,286.05 ; 248.56,285.45 248.56,272.02 249.27,271.3 264.79,271.3 268.69,267.41 268.69,259.65 U301.6 ; 245.25,301.13 245.12,301.26